# KiCad board TEST_PANEL.kicad_pcb (continued)
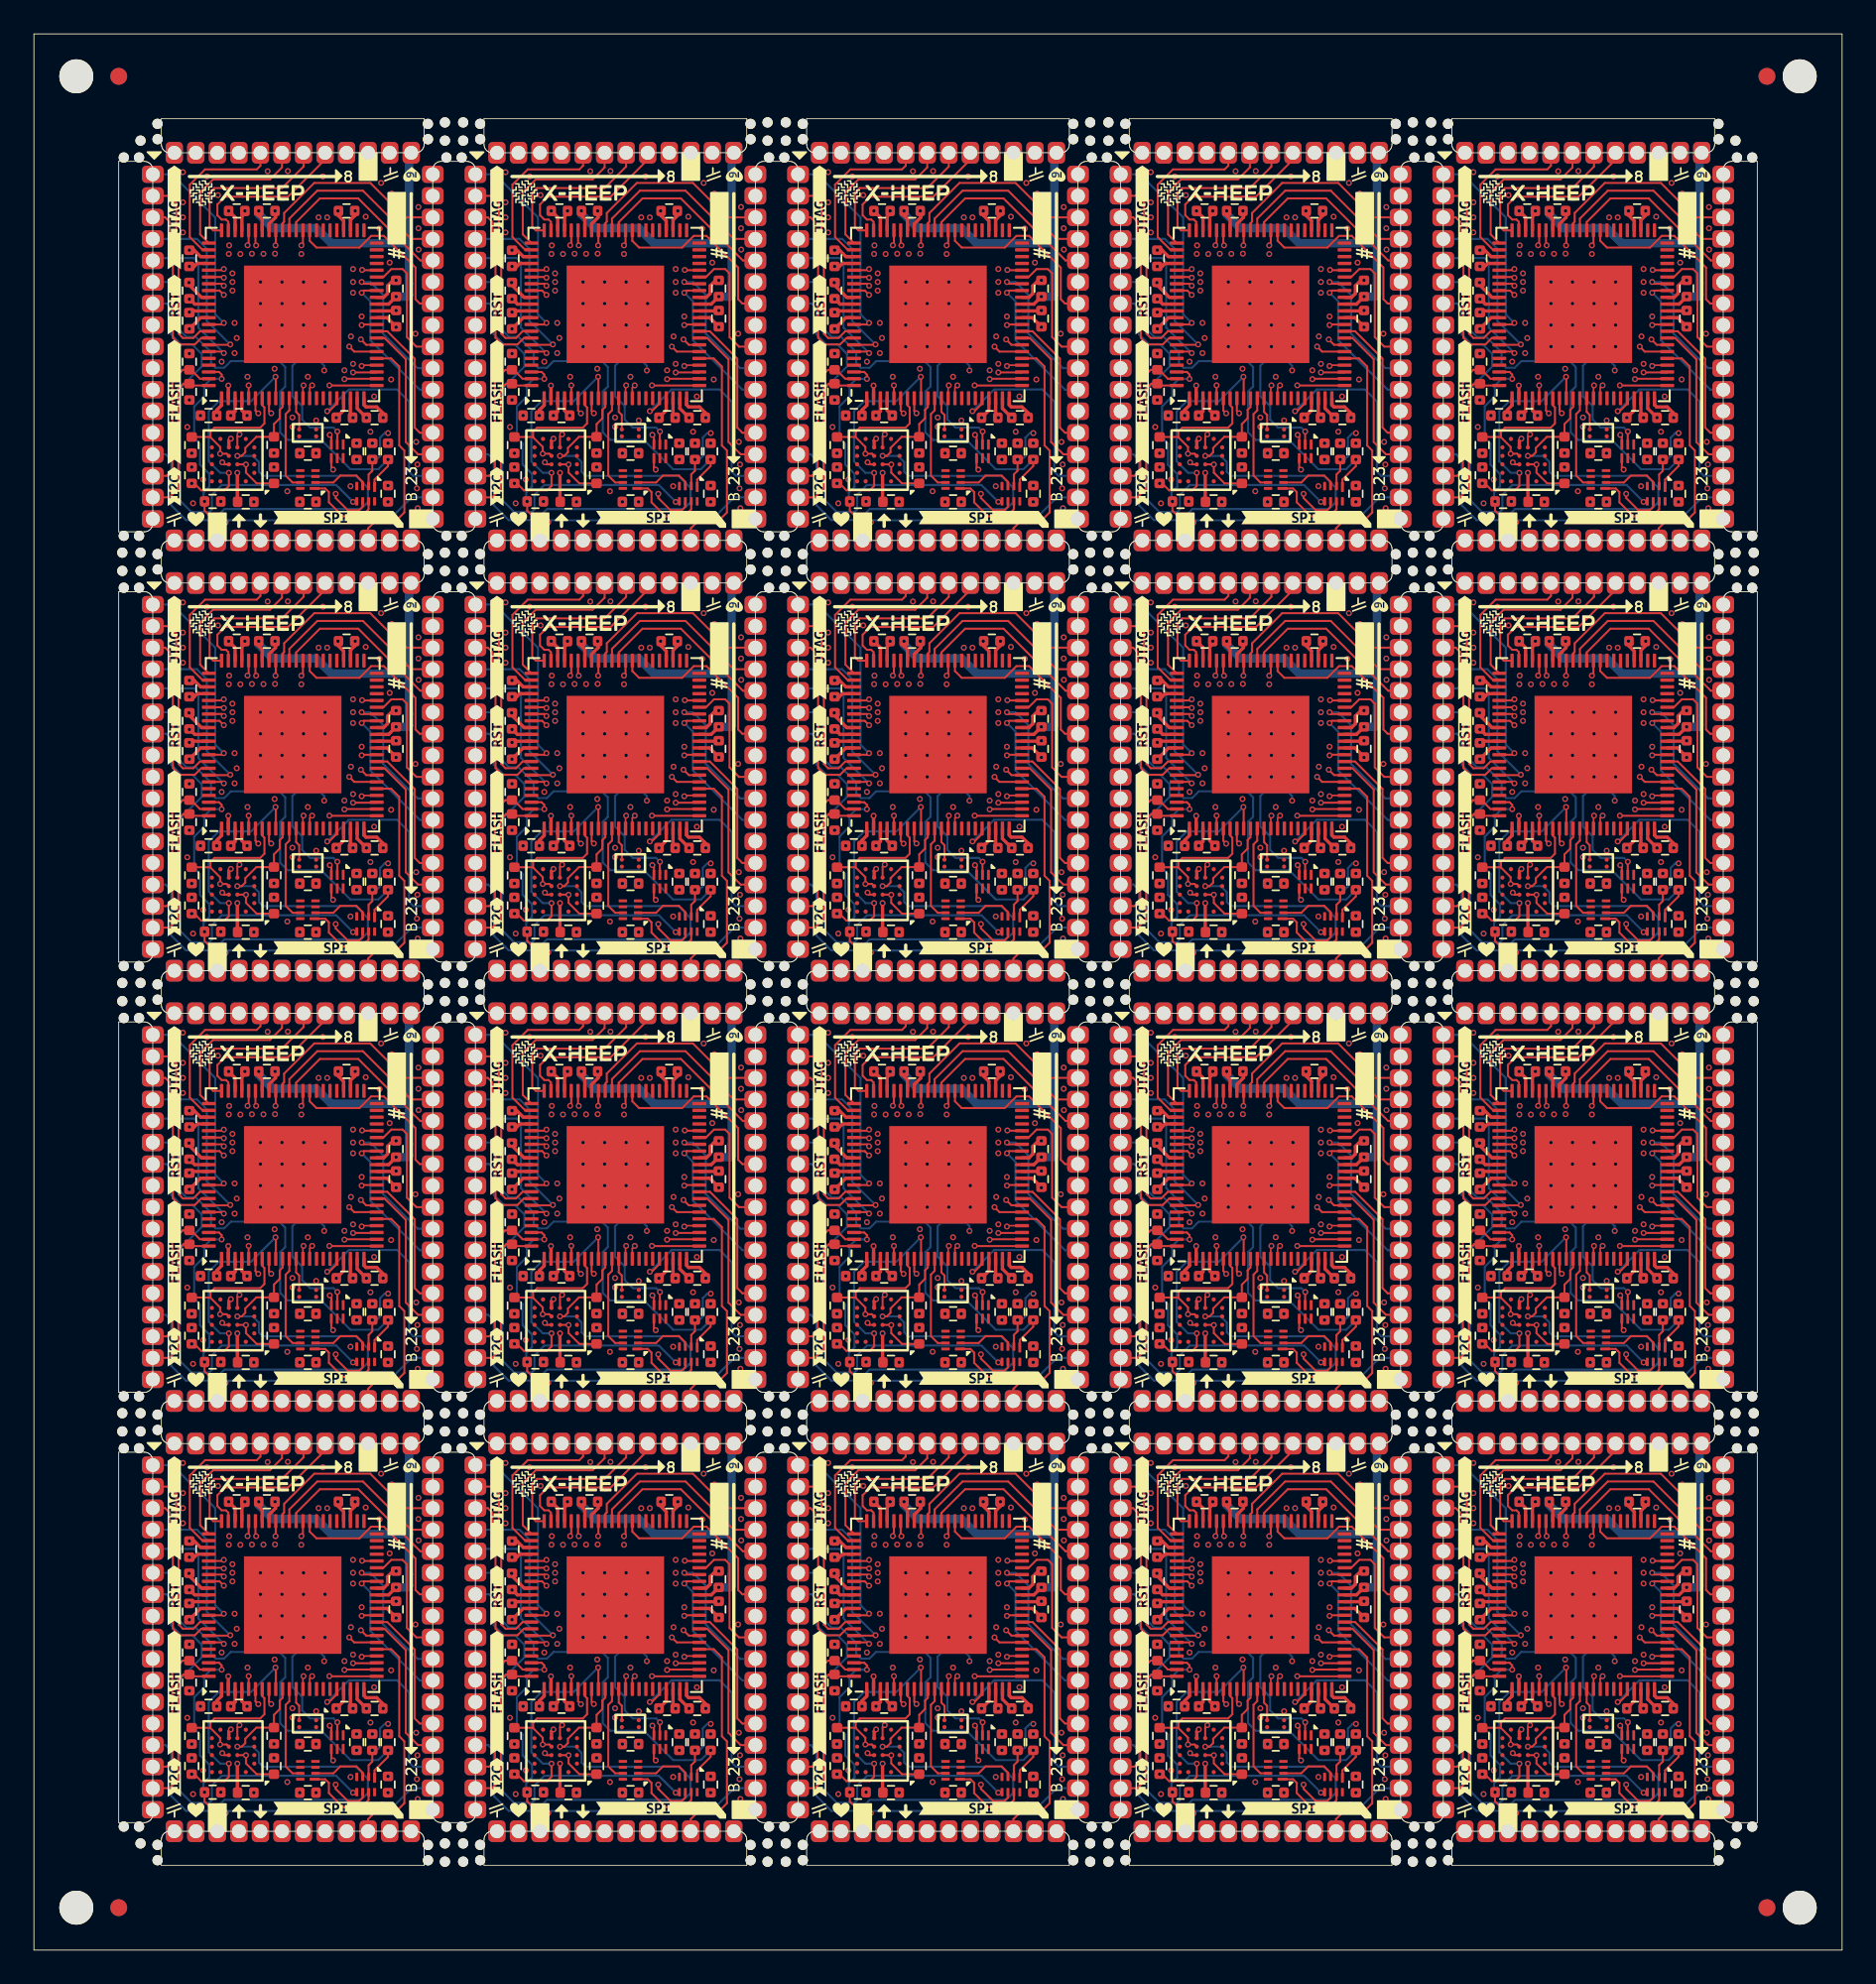
[diagram p0: board, top side]
## Routing (per net, layer and track width the routed paths; a pad name or vN(x,y) marks a point on that pad's centre or on a via; arc(x,y) is an arc through that point) (continued)
Board_15-I2C_SDA_HEEP: length 179.1
  Top w0.12: 64.35,61.56 64.9,61.56 65.24,61.9 65.24,67.2 65.85,67.81 R120.2 66.34,67.81 66.87,67.28 U66.87 ; 64.35,86.93 64.9,86.93 65.24,87.27 65.24,92.57 65.85,93.18 R165.2 66.34,93.18 66.87,92.66 U91.87 ; U1.87 9.79,16.54 9.27,17.07 R3.2 8.77,17.07 8.16,16.46 8.16,11.16 7.82,10.82 7.27,10.82 ; 26.29,86.93 26.85,86.93 27.19,87.27 27.19,92.57 27.8,93.18 R147.2 28.29,93.18 28.82,92.66 U81.87 ; U41.87 66.87,41.91 66.34,42.44 R75.2 65.85,42.44 65.24,41.83 65.24,36.53 64.9,36.19 64.35,36.19 ; 83.37,36.19 83.93,36.19 84.27,36.53 84.27,41.83 84.88,42.44 R84.2 85.37,42.44 85.9,41.91 U46.87 ; U26.87 9.79,41.91 9.27,42.44 R48.2 8.77,42.44 8.16,41.83 8.16,36.53 7.82,36.19 7.27,36.19 ; 7.27,86.93 7.82,86.93 8.16,87.27 8.16,92.57 8.77,93.18 R138.2 9.27,93.18 9.79,92.66 U76.87 ; 83.37,61.56 83.93,61.56 84.27,61.9 84.27,67.2 84.88,67.81 R129.2 85.37,67.81 85.9,67.28 U71.87 ; U61.87 47.84,67.28 47.32,67.81 R111.2 46.83,67.81 46.22,67.2 46.22,61.9 45.88,61.56 45.32,61.56 ; U31.87 28.82,41.91 28.29,42.44 R57.2 27.8,42.44 27.19,41.83 27.19,36.53 26.85,36.19 26.29,36.19 ; U16.87 66.87,16.54 66.34,17.07 R30.2 65.85,17.07 65.24,16.46 65.24,11.16 64.9,10.82 64.35,10.82 ; U96.87 85.9,92.66 85.37,93.18 R174.2 84.88,93.18 84.27,92.57 84.27,87.27 83.93,86.93 83.37,86.93 ; U51.87 9.79,67.28 9.27,67.81 R93.2 8.77,67.81 8.16,67.2 8.16,61.9 7.82,61.56 7.27,61.56 ; 45.32,86.93 45.88,86.93 46.22,87.27 46.22,92.57 46.83,93.18 R156.2 47.32,93.18 47.84,92.66 U86.87 ; 45.32,36.19 45.88,36.19 46.22,36.53 46.22,41.83 46.83,42.44 R66.2 47.32,42.44 47.84,41.91 U36.87 ; U56.87 28.82,67.28 28.29,67.81 R102.2 27.8,67.81 27.19,67.2 27.19,61.9 26.85,61.56 26.29,61.56 ; 45.32,10.82 45.88,10.82 46.22,11.16 46.22,16.46 46.83,17.07 R21.2 47.32,17.07 47.84,16.54 U11.87 ; 83.37,10.82 83.93,10.82 84.27,11.16 84.27,16.46 84.88,17.07 R39.2 85.37,17.07 85.9,16.54 U21.87 ; 26.29,10.82 26.85,10.82 27.19,11.16 27.19,16.46 27.8,17.07 R12.2 28.29,17.07 28.82,16.54 U6.87
Board_15-JTAG_TCK: length 194.9
  Top w0.12: U1.83 11.11,18.14 v1(11.2,18.06) ; U6.83 30.14,18.14 v1(30.22,18.06) ; U21.83 87.22,18.14 v1(87.3,18.06) ; v1(87.3,43.43) 87.22,43.51 U46.83 ; v1(49.25,94.17) 49.16,94.26 U86.83 ; U81.83 30.14,94.26 v1(30.22,94.17) ; U66.83 68.19,68.88 v1(68.28,68.8) ; U11.83 49.16,18.14 v1(49.25,18.06) ; v1(49.25,43.43) 49.16,43.51 U36.83 ; v1(68.28,94.17) 68.19,94.26 U91.83 ; U61.83 49.16,68.88 v1(49.25,68.8) ; U51.83 11.11,68.88 v1(11.2,68.8) ; U26.83 11.11,43.51 v1(11.2,43.43) ; U41.83 68.19,43.51 v1(68.28,43.43) ; U71.83 87.22,68.88 v1(87.3,68.8) ; v1(30.22,68.8) 30.14,68.88 U56.83 ; v1(30.22,43.43) 30.14,43.51 U31.83 ; U76.83 11.11,94.26 v1(11.2,94.17) ; v1(68.28,18.06) 68.19,18.14 U16.83 ; v1(87.3,94.17) 87.22,94.26 U96.83
  Bottom w0.12: v1(87.3,68.8) 87.3,68.8 85.8,70.3 85.8,74.15 85.55,74.4 83.25,74.4 J15.5 ; J11.5 7.15,74.4 9.44,74.4 9.69,74.15 9.69,70.3 11.19,68.8 v1(11.2,68.8) ; v1(68.28,43.43) 68.27,43.43 66.77,44.93 66.77,48.78 66.52,49.03 64.23,49.03 J9.5 ; J7.5 26.17,49.03 28.47,49.03 28.72,48.78 28.72,44.93 30.22,43.43 v1(30.22,43.43) ; J16.5 7.15,99.77 9.44,99.77 9.69,99.52 9.69,95.67 11.19,94.17 v1(11.2,94.17) ; J6.5 7.15,49.03 9.44,49.03 9.69,48.78 9.69,44.93 11.19,43.43 v1(11.2,43.43) ; J19.5 64.23,99.77 66.52,99.77 66.77,99.52 66.77,95.67 68.27,94.17 v1(68.28,94.17) ; J13.5 45.2,74.4 47.5,74.4 47.75,74.15 47.75,70.3 49.25,68.8 v1(49.25,68.8) ; J17.5 26.17,99.77 28.47,99.77 28.72,99.52 28.72,95.67 30.22,94.17 v1(30.22,94.17) ; v1(30.22,68.8) 30.22,68.8 28.72,70.3 28.72,74.15 28.47,74.4 26.17,74.4 J12.5 ; J5.5 83.25,23.66 85.55,23.66 85.8,23.41 85.8,19.56 87.3,18.06 v1(87.3,18.06) ; J10.5 83.25,49.03 85.55,49.03 85.8,48.78 85.8,44.93 87.3,43.43 v1(87.3,43.43) ; J2.5 26.17,23.66 28.47,23.66 28.72,23.41 28.72,19.56 30.22,18.06 v1(30.22,18.06) ; v1(68.28,68.8) 68.27,68.8 66.77,70.3 66.77,74.15 66.52,74.4 64.23,74.4 J14.5 ; J18.5 45.2,99.77 47.5,99.77 47.75,99.52 47.75,95.67 49.25,94.17 v1(49.25,94.17) ; J3.5 45.2,23.66 47.5,23.66 47.75,23.41 47.75,19.56 49.25,18.06 v1(49.25,18.06) ; v1(49.25,43.43) 49.25,43.43 47.75,44.93 47.75,48.78 47.5,49.03 45.2,49.03 J8.5 ; v1(11.2,18.06) 11.19,18.06 9.69,19.56 9.69,23.41 9.44,23.66 7.15,23.66 J1.5 ; J4.5 64.23,23.66 66.52,23.66 66.77,23.41 66.77,19.56 68.27,18.06 v1(68.28,18.06) ; J20.5 83.25,99.77 85.55,99.77 85.8,99.52 85.8,95.67 87.3,94.17 v1(87.3,94.17)
Board_15-JTAG_TDI: length 227.5
  Top w0.12: U91.80 66.87,95.46 66.47,95.06 65.86,95.06 65.61,95.31 65.61,100.93 65.47,101.07 65.47,103.02 65.05,103.44 J19.2 ; U26.80 9.79,44.71 9.4,44.32 8.79,44.32 8.53,44.57 8.53,50.19 8.39,50.33 8.39,52.28 7.97,52.7 J6.2 ; J3.2 46.03,27.33 46.45,26.91 46.45,24.96 46.58,24.82 46.58,19.2 46.84,18.95 47.45,18.95 47.85,19.34 U11.80 ; U21.80 85.9,19.34 85.5,18.95 84.89,18.95 84.64,19.2 84.64,24.82 84.5,24.96 84.5,26.91 84.08,27.33 J5.2 ; U36.80 47.85,44.71 47.45,44.32 46.84,44.32 46.58,44.57 46.58,50.19 46.45,50.33 46.45,52.28 46.03,52.7 J8.2 ; J9.2 65.05,52.7 65.47,52.28 65.47,50.33 65.61,50.19 65.61,44.57 65.86,44.32 66.47,44.32 66.87,44.71 U41.80 ; J18.2 46.03,103.44 46.45,103.02 46.45,101.07 46.58,100.93 46.58,95.31 46.84,95.06 47.45,95.06 47.85,95.46 U86.80 ; J2.2 27,27.33 27.42,26.91 27.42,24.96 27.56,24.82 27.56,19.2 27.81,18.95 28.42,18.95 28.82,19.34 U6.80 ; U61.80 47.85,70.08 47.45,69.69 46.84,69.69 46.58,69.94 46.58,75.56 46.45,75.7 46.45,77.65 46.03,78.07 J13.2 ; U46.80 85.9,44.71 85.5,44.32 84.89,44.32 84.64,44.57 84.64,50.19 84.5,50.33 84.5,52.28 84.08,52.7 J10.2 ; J20.2 84.08,103.44 84.5,103.02 84.5,101.07 84.64,100.93 84.64,95.31 84.89,95.06 85.5,95.06 85.9,95.46 U96.80 ; U51.80 9.79,70.08 9.4,69.69 8.79,69.69 8.53,69.94 8.53,75.56 8.39,75.7 8.39,77.65 7.97,78.07 J11.2 ; J14.2 65.05,78.07 65.47,77.65 65.47,75.7 65.61,75.56 65.61,69.94 65.86,69.69 66.47,69.69 66.87,70.08 U66.80 ; J15.2 84.08,78.07 84.5,77.65 84.5,75.7 84.64,75.56 84.64,69.94 84.89,69.69 85.5,69.69 85.9,70.08 U71.80 ; J7.2 27,52.7 27.42,52.28 27.42,50.33 27.56,50.19 27.56,44.57 27.81,44.32 28.42,44.32 28.82,44.71 U31.80 ; J16.2 7.97,103.44 8.39,103.02 8.39,101.07 8.53,100.93 8.53,95.31 8.79,95.06 9.4,95.06 9.79,95.46 U76.80 ; J12.2 27,78.07 27.42,77.65 27.42,75.7 27.56,75.56 27.56,69.94 27.81,69.69 28.42,69.69 28.82,70.08 U56.80 ; J4.2 65.05,27.33 65.47,26.91 65.47,24.96 65.61,24.82 65.61,19.2 65.86,18.95 66.47,18.95 66.87,19.34 U16.80 ; J1.2 7.97,27.33 8.39,26.91 8.39,24.96 8.53,24.82 8.53,19.2 8.79,18.95 9.4,18.95 9.79,19.34 U1.80 ; J17.2 27,103.44 27.42,103.02 27.42,101.07 27.56,100.93 27.56,95.31 27.81,95.06 28.42,95.06 28.82,95.46 U81.80
Board_15-JTAG_TDO: length 241.9
  Top w0.12: v1(11.2,70.58) 11.11,70.48 10.31,70.48 ; v1(49.25,45.21) 49.16,45.11 U36.79 ; 86.42,70.48 87.21,70.48 v1(87.3,70.58) ; U91.79 68.19,95.86 v1(68.28,95.95) ; v1(49.25,19.83) 49.16,19.74 U11.79 ; v1(49.25,95.95) 49.16,95.86 U86.79 ; U1.79 11.11,19.74 v1(11.2,19.83) ; U81.79 30.13,95.86 v1(30.22,95.95) ; U26.79 11.11,45.11 v1(11.2,45.21) ; v1(68.28,45.21) 68.19,45.11 U41.79 ; v1(87.3,19.83) 87.21,19.74 U21.79 ; v1(30.22,19.83) 30.13,19.74 U6.79 ; v1(11.2,95.95) 11.11,95.86 U76.79 ; v1(87.3,45.21) 87.21,45.11 U46.79 ; 48.37,70.48 49.16,70.48 v1(49.25,70.58) ; U96.79 87.21,95.86 v1(87.3,95.95) ; v1(30.22,45.21) 30.13,45.11 U31.79 ; v1(68.28,19.83) 68.19,19.74 U16.79 ; 29.34,70.48 30.13,70.48 v1(30.22,70.58) ; 67.39,70.48 68.19,70.48 v1(68.28,70.58)
  Bottom w0.12: v1(68.28,19.83) 67.77,20.34 67.77,26.06 65.23,28.6 J4.1 ; v1(11.2,45.21) 10.69,45.71 10.69,51.43 8.15,53.97 J6.1 ; v1(30.22,70.58) 29.72,71.08 29.72,76.8 27.18,79.34 J12.1 ; v1(11.2,95.95) 10.69,96.45 10.69,102.17 8.15,104.71 J16.1 ; J20.1 84.26,104.71 86.8,102.17 86.8,96.45 v1(87.3,95.95) ; v1(87.3,19.83) 86.8,20.34 86.8,26.06 84.26,28.6 J5.1 ; J7.1 27.18,53.97 29.72,51.43 29.72,45.71 v1(30.22,45.21) ; J14.1 65.23,79.34 67.77,76.8 67.77,71.08 v1(68.28,70.58) ; v1(87.3,70.58) 86.8,71.08 86.8,76.8 84.26,79.34 J15.1 ; J3.1 46.21,28.6 48.75,26.06 48.75,20.34 v1(49.25,19.83) ; J13.1 46.21,79.34 48.75,76.8 48.75,71.08 v1(49.25,70.58) ; v1(68.28,45.21) 67.77,45.71 67.77,51.43 65.23,53.97 J9.1 ; v1(68.28,95.95) 67.77,96.45 67.77,102.17 65.23,104.71 J19.1 ; J8.1 46.21,53.97 48.75,51.43 48.75,45.71 v1(49.25,45.21) ; v1(11.2,70.58) 10.69,71.08 10.69,76.8 8.15,79.34 J11.1 ; J10.1 84.26,53.97 86.8,51.43 86.8,45.71 v1(87.3,45.21) ; J17.1 27.18,104.71 29.72,102.17 29.72,96.45 v1(30.22,95.95) ; J18.1 46.21,104.71 48.75,102.17 48.75,96.45 v1(49.25,95.95) ; v1(11.2,19.83) 10.69,20.34 10.69,26.06 8.15,28.6 J1.1 ; J2.1 27.18,28.6 29.72,26.06 29.72,20.34 v1(30.22,19.83)
Board_15-JTAG_TMS: length 218.4
  Top w0.12: U31.82 30.58,43.91 v1(30.61,43.94) ; v1(49.63,94.68) 49.61,94.66 U86.82 ; v1(87.68,94.68) 87.66,94.66 U96.82 ; U81.82 30.58,94.66 v1(30.61,94.68) ; v1(68.66,43.94) 68.64,43.91 U41.82 ; v1(87.68,43.94) 87.66,43.91 U46.82 ; U71.82 87.66,69.28 v1(87.68,69.31) ; U36.82 49.61,43.91 v1(49.63,43.94) ; U21.82 87.66,18.54 v1(87.68,18.56) ; v1(11.58,94.68) 11.56,94.66 U76.82 ; U51.82 11.56,69.28 v1(11.58,69.31) ; v1(30.61,69.31) 30.58,69.28 U56.82 ; U11.82 49.61,18.54 v1(49.63,18.56) ; v1(30.61,18.56) 30.58,18.54 U6.82 ; U1.82 11.56,18.54 v1(11.58,18.56) ; U91.82 68.64,94.66 v1(68.66,94.68) ; v1(49.63,69.31) 49.61,69.28 U61.82 ; v1(11.58,43.94) 11.56,43.91 U26.82 ; v1(68.66,18.56) 68.64,18.54 U16.82 ; v1(68.66,69.31) 68.64,69.28 U66.82
  Bottom w0.12: v1(30.61,69.31) 29.22,70.69 29.22,74.95 28.64,75.53 J12.4 ; v1(30.61,43.94) 29.22,45.32 29.22,49.58 28.64,50.16 J7.4 ; v1(49.63,18.56) 48.25,19.95 48.25,24.21 47.67,24.79 J3.4 ; J19.4 66.69,100.9 67.27,100.32 67.27,96.06 v1(68.66,94.68) ; v1(87.68,69.31) 86.3,70.69 86.3,74.95 85.72,75.53 J15.4 ; J2.4 28.64,24.79 29.22,24.21 29.22,19.95 v1(30.61,18.56) ; v1(30.61,94.68) 29.22,96.06 29.22,100.32 28.64,100.9 J17.4 ; v1(68.66,43.94) 67.27,45.32 67.27,49.58 66.69,50.16 J9.4 ; v1(11.58,94.68) 10.19,96.06 10.19,100.32 9.61,100.9 J16.4 ; J13.4 47.67,75.53 48.25,74.95 48.25,70.69 v1(49.63,69.31) ; J18.4 47.67,100.9 48.25,100.32 48.25,96.06 v1(49.63,94.68) ; J10.4 85.72,50.16 86.3,49.58 86.3,45.32 v1(87.68,43.94) ; J4.4 66.69,24.79 67.27,24.21 67.27,19.95 v1(68.66,18.56) ; J11.4 9.61,75.53 10.19,74.95 10.19,70.69 v1(11.58,69.31) ; J6.4 9.61,50.16 10.19,49.58 10.19,45.32 v1(11.58,43.94) ; v1(87.68,18.56) 86.3,19.95 86.3,24.21 85.72,24.79 J5.4 ; v1(11.58,18.56) 10.19,19.95 10.19,24.21 9.61,24.79 J1.4 ; J14.4 66.69,75.53 67.27,74.95 67.27,70.69 v1(68.66,69.31) ; J8.4 47.67,50.16 48.25,49.58 48.25,45.32 v1(49.63,43.94) ; v1(87.68,94.68) 86.3,96.06 86.3,100.32 85.72,100.9 J20.4
Board_15-JTAG_TRST: length 806
  Top w0.12: U51.81 9.87,69.68 9.49,69.31 8.59,69.31 8.19,69.7 8.19,75.4 7.99,75.6 7.99,76.55 7.74,76.8 J11.3 ; v1(58.01,37.15) 58.01,36.49 57.79,36.27 U38.2 ; U86.81 47.92,95.06 47.54,94.68 46.64,94.68 46.25,95.07 46.25,100.77 46.05,100.97 46.05,101.92 45.8,102.17 J18.3 ; v1(38.98,87.89) 38.98,87.23 38.76,87.01 U83.2 ; U98.2 95.84,87.01 96.06,87.23 v1(96.06,87.89) ; v1(19.95,62.52) 19.95,61.86 19.74,61.64 U53.2 ; U91.81 66.94,95.06 66.57,94.68 65.66,94.68 65.27,95.07 65.27,100.77 65.07,100.97 65.07,101.92 64.82,102.17 J19.3 ; J6.3 7.74,51.43 7.99,51.18 7.99,50.23 8.19,50.03 8.19,44.33 8.59,43.94 9.49,43.94 9.87,44.31 U26.81 ; U8.2 38.76,10.9 38.98,11.12 v1(38.98,11.78) ; U31.81 28.89,44.31 28.51,43.94 27.61,43.94 27.22,44.33 27.22,50.03 27.02,50.23 27.02,51.18 26.77,51.43 J7.3 ; v1(96.06,37.15) 96.06,36.49 95.84,36.27 U48.2 ; J5.3 83.85,26.06 84.1,25.81 84.1,24.86 84.3,24.66 84.3,18.96 84.69,18.56 85.59,18.56 85.97,18.94 U21.81 ; v1(77.03,11.78) 77.03,11.12 76.81,10.9 U18.2 ; U58.2 38.76,61.64 38.98,61.86 v1(38.98,62.52) ; v1(19.95,37.15) 19.95,36.49 19.74,36.27 U28.2 ; v1(96.06,62.52) 96.06,61.86 95.84,61.64 U73.2 ; U11.81 47.92,18.94 47.54,18.56 46.64,18.56 46.25,18.96 46.25,24.66 46.05,24.86 46.05,25.81 45.8,26.06 J3.3 ; U36.81 47.92,44.31 47.54,43.94 46.64,43.94 46.25,44.33 46.25,50.03 46.05,50.23 46.05,51.18 45.8,51.43 J8.3 ; J1.3 7.74,26.06 7.99,25.81 7.99,24.86 8.19,24.66 8.19,18.96 8.59,18.56 9.49,18.56 9.87,18.94 U1.81 ; U66.81 66.94,69.68 66.57,69.31 65.66,69.31 65.27,69.7 65.27,75.4 65.07,75.6 65.07,76.55 64.82,76.8 J14.3 ; J20.3 83.85,102.17 84.1,101.92 84.1,100.97 84.3,100.77 84.3,95.07 84.69,94.68 85.59,94.68 85.97,95.06 U96.81 ; J9.3 64.82,51.43 65.07,51.18 65.07,50.23 65.27,50.03 65.27,44.33 65.66,43.94 66.57,43.94 66.94,44.31 U41.81 ; U13.2 57.79,10.9 58.01,11.12 v1(58.01,11.78) ; v1(19.95,11.78) 19.95,11.12 19.74,10.9 U3.2 ; J16.3 7.74,102.17 7.99,101.92 7.99,100.97 8.19,100.77 8.19,95.07 8.59,94.68 9.49,94.68 9.87,95.06 U76.81 ; U46.81 85.97,44.31 85.59,43.94 84.69,43.94 84.3,44.33 84.3,50.03 84.1,50.23 84.1,51.18 83.85,51.43 J10.3 ; U88.2 57.79,87.01 58.01,87.23 v1(58.01,87.89) ; U71.81 85.97,69.68 85.59,69.31 84.69,69.31 84.3,69.7 84.3,75.4 84.1,75.6 84.1,76.55 83.85,76.8 J15.3 ; U56.81 28.89,69.68 28.51,69.31 27.61,69.31 27.22,69.7 27.22,75.4 27.02,75.6 27.02,76.55 26.77,76.8 J12.3 ; U33.2 38.76,36.27 38.98,36.49 v1(38.98,37.15) ; U81.81 28.89,95.06 28.51,94.68 27.61,94.68 27.22,95.07 27.22,100.77 27.02,100.97 27.02,101.92 26.77,102.17 J17.3 ; J13.3 45.8,76.8 46.05,76.55 46.05,75.6 46.25,75.4 46.25,69.7 46.64,69.31 47.54,69.31 47.92,69.68 U61.81 ; U6.81 28.89,18.94 28.51,18.56 27.61,18.56 27.22,18.96 27.22,24.66 27.02,24.86 27.02,25.81 26.77,26.06 J2.3 ; U93.2 76.81,87.01 77.03,87.23 v1(77.03,87.89) ; v1(77.03,37.15) 77.03,36.49 76.81,36.27 U43.2 ; U78.2 19.74,87.01 19.95,87.23 v1(19.95,87.89) ; v1(58.01,62.52) 58.01,61.86 57.79,61.64 U63.2 ; U16.81 66.94,18.94 66.57,18.56 65.66,18.56 65.27,18.96 65.27,24.66 65.07,24.86 65.07,25.81 64.82,26.06 J4.3 ; U23.2 95.84,10.9 96.06,11.12 v1(96.06,11.78) ; U68.2 76.81,61.64 77.03,61.86 v1(77.03,62.52)
  In3.Cu w0.12: J20.3 83.7,102.17 84.2,101.67 84.2,97.76 85.01,96.94 88.4,96.94 89.13,97.67 93.39,97.67 93.82,97.24 93.82,94.25 94.17,93.89 95.93,93.89 96.76,93.07 96.76,91.04 97.06,90.74 97.06,89.52 v1(96.99,89.45) ; J12.3 26.62,76.8 27.12,76.3 27.12,72.39 27.93,71.57 31.32,71.57 32.05,72.3 36.31,72.3 36.75,71.86 36.75,68.87 37.1,68.52 38.86,68.52 39.68,67.7 39.68,65.67 39.98,65.37 39.98,64.15 v1(39.91,64.08) ; 39.89,13.24 39.98,13.33 ; J19.3 64.67,102.17 65.17,101.67 65.17,97.76 65.99,96.94 69.38,96.94 70.1,97.67 74.36,97.67 74.8,97.24 74.8,94.25 75.15,93.89 76.91,93.89 77.73,93.07 77.73,91.04 78.03,90.74 78.03,89.52 v1(77.96,89.45) ; v1(20.88,13.34) 20.96,13.41 20.96,14.62 20.65,14.93 20.65,16.96 19.83,17.78 18.07,17.78 17.72,18.13 17.72,21.12 17.28,21.56 13.02,21.56 12.3,20.83 8.91,20.83 8.09,21.64 8.09,25.56 7.59,26.06 J1.3 ; 77.94,63.98 78.03,64.07 ; 77.94,38.61 78.03,38.7 ; v1(96.99,13.34) 97.06,13.41 97.06,14.62 96.76,14.93 96.76,16.96 95.93,17.78 94.17,17.78 93.82,18.13 93.82,21.12 93.39,21.56 89.13,21.56 88.4,20.83 85.01,20.83 84.2,21.64 84.2,25.56 83.7,26.06 J5.3 ; J3.3 45.65,26.06 46.15,25.56 46.15,21.64 46.96,20.83 50.35,20.83 51.08,21.56 55.34,21.56 55.77,21.12 55.77,18.13 56.12,17.78 57.88,17.78 58.71,16.96 58.71,14.93 59.01,14.62 59.01,13.41 v1(58.94,13.34) ; 58.92,38.61 59.01,38.7 ; 96.97,38.61 97.06,38.7 ; J4.3 64.67,26.06 65.17,25.56 65.17,21.64 65.99,20.83 69.38,20.83 70.1,21.56 74.36,21.56 74.8,21.12 74.8,18.13 75.15,17.78 76.91,17.78 77.73,16.96 77.73,14.93 78.03,14.62 78.03,13.41 v1(77.96,13.34) ; v1(58.94,38.71) 59.01,38.78 59.01,40 58.71,40.3 58.71,42.33 57.88,43.15 56.12,43.15 55.77,43.5 55.77,46.49 55.34,46.93 51.08,46.93 50.35,46.2 46.96,46.2 46.15,47.01 46.15,50.93 45.65,51.43 J8.3 ; 58.92,63.98 59.01,64.07 ; J14.3 64.67,76.8 65.17,76.3 65.17,72.39 65.99,71.57 69.38,71.57 70.1,72.3 74.36,72.3 74.8,71.86 74.8,68.87 75.15,68.52 76.91,68.52 77.73,67.7 77.73,65.67 78.03,65.37 78.03,64.15 v1(77.96,64.08) ; 20.86,89.35 20.96,89.44 ; v1(20.88,38.71) 20.96,38.78 20.96,40 20.65,40.3 20.65,42.33 19.83,43.15 18.07,43.15 17.72,43.5 17.72,46.49 17.28,46.93 13.02,46.93 12.3,46.2 8.91,46.2 8.09,47.01 8.09,50.93 7.59,51.43 J6.3 ; J13.3 45.65,76.8 46.15,76.3 46.15,72.39 46.96,71.57 50.35,71.57 51.08,72.3 55.34,72.3 55.77,71.86 55.77,68.87 56.12,68.52 57.88,68.52 58.71,67.7 58.71,65.67 59.01,65.37 59.01,64.15 v1(58.94,64.08) ; v1(96.99,64.08) 97.06,64.15 97.06,65.37 96.76,65.67 96.76,67.7 95.93,68.52 94.17,68.52 93.82,68.87 93.82,71.86 93.39,72.3 89.13,72.3 88.4,71.57 85.01,71.57 84.2,72.39 84.2,76.3 83.7,76.8 J15.3 ; J9.3 64.67,51.43 65.17,50.93 65.17,47.01 65.99,46.2 69.38,46.2 70.1,46.93 74.36,46.93 74.8,46.49 74.8,43.5 75.15,43.15 76.91,43.15 77.73,42.33 77.73,40.3 78.03,40 78.03,38.78 v1(77.96,38.71) ; 20.86,38.61 20.96,38.7 ; J11.3 7.59,76.8 8.09,76.3 8.09,72.39 8.91,71.57 12.3,71.57 13.02,72.3 17.28,72.3 17.72,71.86 17.72,68.87 18.07,68.52 19.83,68.52 20.65,67.7 20.65,65.67 20.96,65.37 20.96,64.15 v1(20.88,64.08) ; 96.97,63.98 97.06,64.07 ; 96.97,89.35 97.06,89.44 ; 39.89,89.35 39.98,89.44 ; v1(20.88,89.45) 20.96,89.52 20.96,90.74 20.65,91.04 20.65,93.07 19.83,93.89 18.07,93.89 17.72,94.25 17.72,97.24 17.28,97.67 13.02,97.67 12.3,96.94 8.91,96.94 8.09,97.76 8.09,101.67 7.59,102.17 J16.3 ; J18.3 45.65,102.17 46.15,101.67 46.15,97.76 46.96,96.94 50.35,96.94 51.08,97.67 55.34,97.67 55.77,97.24 55.77,94.25 56.12,93.89 57.88,93.89 58.71,93.07 58.71,91.04 59.01,90.74 59.01,89.52 v1(58.94,89.45) ; v1(39.91,13.34) 39.98,13.41 39.98,14.62 39.68,14.93 39.68,16.96 38.86,17.78 37.1,17.78 36.75,18.13 36.75,21.12 36.31,21.56 32.05,21.56 31.32,20.83 27.93,20.83 27.12,21.64 27.12,25.56 26.62,26.06 J2.3 ; 20.86,63.98 20.96,64.07 ; 77.94,13.24 78.03,13.33 ; J17.3 26.62,102.17 27.12,101.67 27.12,97.76 27.93,96.94 31.32,96.94 32.05,97.67 36.31,97.67 36.75,97.24 36.75,94.25 37.1,93.89 38.86,93.89 39.68,93.07 39.68,91.04 39.98,90.74 39.98,89.52 v1(39.91,89.45) ; 58.92,89.35 59.01,89.44 ; 77.94,89.35 78.03,89.44 ; 58.92,13.24 59.01,13.33 ; 39.89,38.61 39.98,38.7 ; 96.97,13.24 97.06,13.33 ; J10.3 83.7,51.43 84.2,50.93 84.2,47.01 85.01,46.2 88.4,46.2 89.13,46.93 93.39,46.93 93.82,46.49 93.82,43.5 94.17,43.15 95.93,43.15 96.76,42.33 96.76,40.3 97.06,40 97.06,38.78 v1(96.99,38.71) ; 39.89,63.98 39.98,64.07 ; J7.3 26.62,51.43 27.12,50.93 27.12,47.01 27.93,46.2 31.32,46.2 32.05,46.93 36.31,46.93 36.75,46.49 36.75,43.5 37.1,43.15 38.86,43.15 39.68,42.33 39.68,40.3 39.98,40 39.98,38.78 v1(39.91,38.71) ; 20.86,13.24 20.96,13.33
  Bottom w0.12: v1(58.94,89.45) 58.74,89.45 58.47,89.18 58.47,88.09 58.27,87.89 v1(58.01,87.89) ; v1(96.06,11.78) 96.32,11.78 96.52,11.98 96.52,13.07 96.79,13.34 v1(96.99,13.34) ; v1(77.96,89.45) 77.76,89.45 77.49,89.18 77.49,88.09 77.29,87.89 v1(77.03,87.89) ; v1(39.91,13.34) 39.71,13.34 39.44,13.07 39.44,11.98 39.24,11.78 v1(38.98,11.78) ; v1(38.98,62.52) 39.24,62.52 39.44,62.72 39.44,63.81 39.71,64.08 v1(39.91,64.08) ; v1(20.88,38.71) 20.68,38.71 20.41,38.44 20.41,37.35 20.22,37.15 v1(19.95,37.15) ; v1(77.03,11.78) 77.29,11.78 77.49,11.98 77.49,13.07 77.76,13.34 v1(77.96,13.34) ; v1(20.88,13.34) 20.68,13.34 20.41,13.07 20.41,11.98 20.22,11.78 v1(19.95,11.78) ; v1(58.94,64.08) 58.74,64.08 58.47,63.81 58.47,62.72 58.27,62.52 v1(58.01,62.52) ; v1(38.98,37.15) 39.24,37.15 39.44,37.35 39.44,38.44 39.71,38.71 v1(39.91,38.71) ; v1(77.03,62.52) 77.29,62.52 77.49,62.72 77.49,63.81 77.76,64.08 v1(77.96,64.08) ; v1(96.06,62.52) 96.32,62.52 96.52,62.72 96.52,63.81 96.79,64.08 v1(96.99,64.08) ; v1(58.01,37.15) 58.27,37.15 58.47,37.35 58.47,38.44 58.74,38.71 v1(58.94,38.71) ; v1(96.99,89.45) 96.79,89.45 96.52,89.18 96.52,88.09 96.32,87.89 v1(96.06,87.89) ; v1(39.91,89.45) 39.71,89.45 39.44,89.18 39.44,88.09 39.24,87.89 v1(38.98,87.89) ; v1(58.01,11.78) 58.27,11.78 58.47,11.98 58.47,13.07 58.74,13.34 v1(58.94,13.34) ; v1(19.95,87.89) 20.22,87.89 20.41,88.09 20.41,89.18 20.68,89.45 v1(20.88,89.45) ; v1(19.95,62.52) 20.22,62.52 20.41,62.72 20.41,63.81 20.68,64.08 v1(20.88,64.08) ; v1(96.99,38.71) 96.79,38.71 96.52,38.44 96.52,37.35 96.32,37.15 v1(96.06,37.15) ; v1(77.96,38.71) 77.76,38.71 77.49,38.44 77.49,37.35 77.29,37.15 v1(77.03,37.15)
Board_15-Manual_RST: length 506.1
  Top w0.12: v1(20.88,37.15) 20.88,36.76 20.09,35.97 U28.1 ; U98.1 96.19,86.71 96.98,87.51 v1(96.98,87.89) ; 77.16,60.9 77.16,61.34 77.96,62.14 v1(77.96,62.52) ; v1(39.91,37.15) 39.91,36.76 39.11,35.97 U33.1 ; v1(58.93,37.15) 58.93,36.76 58.14,35.97 U38.1 ; v1(77.96,87.89) 77.96,87.51 77.16,86.71 U93.1 ; 39.11,60.9 39.11,61.34 39.91,62.14 v1(39.91,62.52) ; U83.1 39.11,86.71 39.91,87.51 v1(39.91,87.89) ; U78.1 20.09,86.71 20.88,87.51 v1(20.88,87.89) ; U88.1 58.14,86.71 58.93,87.51 v1(58.93,87.89) ; v1(20.88,62.52) 20.88,62.14 20.09,61.34 20.09,60.9 ; U43.1 77.16,35.97 77.96,36.76 v1(77.96,37.15) ; U3.1 20.09,10.6 20.88,11.39 v1(20.88,11.78) ; 58.14,60.9 58.14,61.34 58.93,62.14 v1(58.93,62.52) ; U8.1 39.11,10.6 39.91,11.39 v1(39.91,11.78) ; U18.1 77.16,10.6 77.96,11.39 v1(77.96,11.78) ; v1(58.93,11.78) 58.93,11.39 58.14,10.6 U13.1 ; U23.1 96.19,10.6 96.98,11.39 v1(96.98,11.78) ; U48.1 96.19,35.97 96.98,36.76 v1(96.98,37.15) ; v1(96.98,62.52) 96.98,62.14 96.19,61.34 96.19,60.9
  Bottom w0.12: v1(58.93,87.89) 58.36,87.32 56.72,87.32 55,89.05 53.02,89.05 52.57,89.5 52.57,91.9 52.87,92.2 52.87,93.34 52.52,93.7 49.67,93.7 49.27,93.3 48.76,93.3 48.5,93.57 48.5,94.22 47.6,95.12 47.05,95.12 46.65,95.52 46.65,97.72 46.01,98.36 J18.6 ; J5.6 84.06,22.25 84.7,21.61 84.7,19.41 85.1,19.01 85.65,19.01 86.55,18.11 86.55,17.46 86.82,17.19 87.33,17.19 87.72,17.58 90.57,17.58 90.92,17.23 90.92,16.08 90.62,15.78 90.62,13.38 91.07,12.93 93.05,12.93 94.77,11.21 96.41,11.21 v1(96.98,11.78) ; v1(20.88,87.89) 20.31,87.32 18.67,87.32 16.94,89.05 14.97,89.05 14.52,89.5 14.52,91.9 14.82,92.2 14.82,93.34 14.47,93.7 11.62,93.7 11.22,93.3 10.71,93.3 10.44,93.57 10.44,94.22 9.54,95.12 8.99,95.12 8.59,95.52 8.59,97.72 7.95,98.36 J16.6 ; v1(58.93,37.15) 58.36,36.58 56.72,36.58 55,38.3 53.02,38.3 52.57,38.75 52.57,41.15 52.87,41.45 52.87,42.6 52.52,42.95 49.67,42.95 49.27,42.56 48.76,42.56 48.5,42.83 48.5,43.48 47.6,44.38 47.05,44.38 46.65,44.78 46.65,46.98 46.01,47.62 J8.6 ; v1(77.96,62.52) 77.38,61.95 75.75,61.95 74.02,63.67 72.05,63.67 71.6,64.12 71.6,66.52 71.9,66.82 71.9,67.97 71.54,68.32 68.69,68.32 68.3,67.93 67.79,67.93 67.52,68.2 67.52,68.85 66.62,69.75 66.07,69.75 65.67,70.15 65.67,72.35 65.03,72.99 J14.6 ; J2.6 26.98,22.25 27.62,21.61 27.62,19.41 28.02,19.01 28.57,19.01 29.47,18.11 29.47,17.46 29.74,17.19 30.25,17.19 30.64,17.58 33.49,17.58 33.84,17.23 33.84,16.08 33.55,15.78 33.55,13.38 34,12.93 35.97,12.93 37.69,11.21 39.33,11.21 v1(39.91,11.78) ; J13.6 46.01,72.99 46.65,72.35 46.65,70.15 47.05,69.75 47.6,69.75 48.5,68.85 48.5,68.2 48.76,67.93 49.27,67.93 49.67,68.32 52.52,68.32 52.87,67.97 52.87,66.82 52.57,66.52 52.57,64.12 53.02,63.67 55,63.67 56.72,61.95 58.36,61.95 v1(58.93,62.52) ; v1(39.91,62.52) 39.33,61.95 37.69,61.95 35.97,63.67 34,63.67 33.55,64.12 33.55,66.52 33.84,66.82 33.84,67.97 33.49,68.32 30.64,68.32 30.25,67.93 29.74,67.93 29.47,68.2 29.47,68.85 28.57,69.75 28.02,69.75 27.62,70.15 27.62,72.35 26.98,72.99 J12.6 ; J1.6 7.95,22.25 8.59,21.61 8.59,19.41 8.99,19.01 9.54,19.01 10.44,18.11 10.44,17.46 10.71,17.19 11.22,17.19 11.62,17.58 14.47,17.58 14.82,17.23 14.82,16.08 14.52,15.78 14.52,13.38 14.97,12.93 16.94,12.93 18.67,11.21 20.31,11.21 v1(20.88,11.78) ; J7.6 26.98,47.62 27.62,46.98 27.62,44.78 28.02,44.38 28.57,44.38 29.47,43.48 29.47,42.83 29.74,42.56 30.25,42.56 30.64,42.95 33.49,42.95 33.84,42.6 33.84,41.45 33.55,41.15 33.55,38.75 34,38.3 35.97,38.3 37.69,36.58 39.33,36.58 v1(39.91,37.15) ; J11.6 7.95,72.99 8.59,72.35 8.59,70.15 8.99,69.75 9.54,69.75 10.44,68.85 10.44,68.2 10.71,67.93 11.22,67.93 11.62,68.32 14.47,68.32 14.82,67.97 14.82,66.82 14.52,66.52 14.52,64.12 14.97,63.67 16.94,63.67 18.67,61.95 20.31,61.95 v1(20.88,62.52) ; v1(77.96,87.89) 77.38,87.32 75.75,87.32 74.02,89.05 72.05,89.05 71.6,89.5 71.6,91.9 71.9,92.2 71.9,93.34 71.54,93.7 68.69,93.7 68.3,93.3 67.79,93.3 67.52,93.57 67.52,94.22 66.62,95.12 66.07,95.12 65.67,95.52 65.67,97.72 65.03,98.36 J19.6 ; v1(96.98,37.15) 96.41,36.58 94.77,36.58 93.05,38.3 91.07,38.3 90.62,38.75 90.62,41.15 90.92,41.45 90.92,42.6 90.57,42.95 87.72,42.95 87.33,42.56 86.82,42.56 86.55,42.83 86.55,43.48 85.65,44.38 85.1,44.38 84.7,44.78 84.7,46.98 84.06,47.62 J10.6 ; v1(39.91,87.89) 39.33,87.32 37.69,87.32 35.97,89.05 34,89.05 33.55,89.5 33.55,91.9 33.84,92.2 33.84,93.34 33.49,93.7 30.64,93.7 30.25,93.3 29.74,93.3 29.47,93.57 29.47,94.22 28.57,95.12 28.02,95.12 27.62,95.52 27.62,97.72 26.98,98.36 J17.6 ; v1(20.88,37.15) 20.31,36.58 18.67,36.58 16.94,38.3 14.97,38.3 14.52,38.75 14.52,41.15 14.82,41.45 14.82,42.6 14.47,42.95 11.62,42.95 11.22,42.56 10.71,42.56 10.44,42.83 10.44,43.48 9.54,44.38 8.99,44.38 8.59,44.78 8.59,46.98 7.95,47.62 J6.6 ; J4.6 65.03,22.25 65.67,21.61 65.67,19.41 66.07,19.01 66.62,19.01 67.52,18.11 67.52,17.46 67.79,17.19 68.3,17.19 68.69,17.58 71.54,17.58 71.9,17.23 71.9,16.08 71.6,15.78 71.6,13.38 72.05,12.93 74.02,12.93 75.75,11.21 77.38,11.21 v1(77.96,11.78) ; v1(77.96,37.15) 77.38,36.58 75.75,36.58 74.02,38.3 72.05,38.3 71.6,38.75 71.6,41.15 71.9,41.45 71.9,42.6 71.54,42.95 68.69,42.95 68.3,42.56 67.79,42.56 67.52,42.83 67.52,43.48 66.62,44.38 66.07,44.38 65.67,44.78 65.67,46.98 65.03,47.62 J9.6 ; J20.6 84.06,98.36 84.7,97.72 84.7,95.52 85.1,95.12 85.65,95.12 86.55,94.22 86.55,93.57 86.82,93.3 87.33,93.3 87.72,93.7 90.57,93.7 90.92,93.34 90.92,92.2 90.62,91.9 90.62,89.5 91.07,89.05 93.05,89.05 94.77,87.32 96.41,87.32 v1(96.98,87.89) ; v1(96.98,62.52) 96.41,61.95 94.77,61.95 93.05,63.67 91.07,63.67 90.62,64.12 90.62,66.52 90.92,66.82 90.92,67.97 90.57,68.32 87.72,68.32 87.33,67.93 86.82,67.93 86.55,68.2 86.55,68.85 85.65,69.75 85.1,69.75 84.7,70.15 84.7,72.35 84.06,72.99 J15.6 ; J3.6 46.01,22.25 46.65,21.61 46.65,19.41 47.05,19.01 47.6,19.01 48.5,18.11 48.5,17.46 48.76,17.19 49.27,17.19 49.67,17.58 52.52,17.58 52.87,17.23 52.87,16.08 52.57,15.78 52.57,13.38 53.02,12.93 55,12.93 56.72,11.21 58.36,11.21 v1(58.93,11.78)